# Altium PCB dashcam_cpu_v2.0.PcbDoc (part 3 of 4)
Units mil, origin at the board's own origin, x right, y up, seen from the top; angles counter-clockwise.
Board outline 2952.76 x 1476.38 mil, 4 copper layers (Top Layer, Internal L1, Internal L2, Bottom Layer), stack 60.718 mil thick; 574 components, 452 nets, 2535 pads, 0 vias.
Unrouted connection lines stored in the file: 1684.
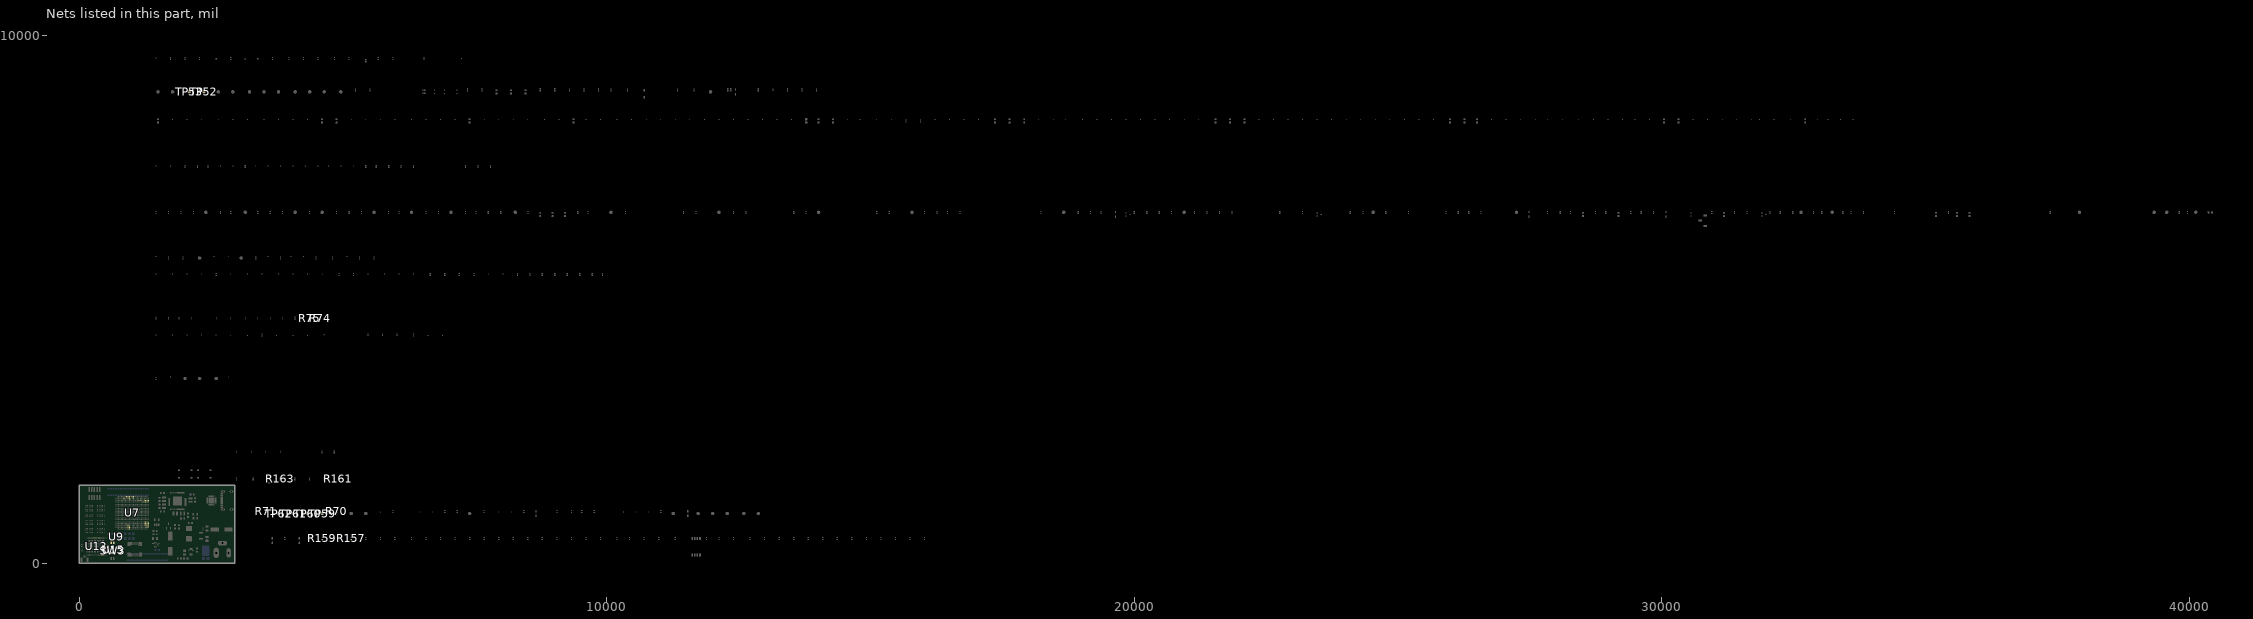
[diagram p3: the nets of this part, all layers, seen from the top]

## Part data (continued)
C21 C31 C37: library part CAP_1000pF_50V_NP0_0402, "Multilayer Ceramic Capacitor, 1000 pF, 50 V, ± 5%, C0G (NP0), 0402 [1005 Metric]", Capacitance=1nF, Case Code (Imperial)=0402, Case Code (Metric)=1005, Dielectric=C0G, Dielectric Material=4241ConductorMaterial, Insulation Resistance=10GR, Manufacturer=Murata, Max Operating Temperature=125°C, Min Operating Temperature=-55°C, Package Quantity=1, Supplier Part Number 1=490-3244-1-ND, Temperature Coefficient=30ppm/°C, Tolerance=5%, Voltage=50V, Case/Package=0402, Category="Ceramic Capacitors", ComponentLink1Description=https://datasheet.ciiva.com/34302/1855908-34302849.pdf?src-supplier=Jameco, ComponentLink1URL=https://datasheet.ciiva.com/34302/1855908-34302849.pdf?src-supplier=Jameco, ComponentLink2Description=https://datasheet.ciiva.com/132/product-132800.pdf?src-supplier=Digi-Key, ComponentLink2URL=https://datasheet.ciiva.com/132/product-132800.pdf?src-supplier=Digi-Key, ComponentLink3Description=https://datasheet.ciiva.com/132/grm1555c1h102ja01-01-132799.pdf?src-supplier=Digi-Key, ComponentLink3URL=https://datasheet.ciiva.com/132/grm1555c1h102ja01-01-132799.pdf?src-supplier=Digi-Key, ComponentLink4Description=https://datasheet.ciiva.com/18184/getdatasheetpartid-90260-18184180.pdf?src-supplier=Verical, ComponentLink4URL=https://datasheet.ciiva.com/18184/getdatasheetpartid-90260-18184180.pdf?src-supplier=Verical, ComponentLink5Description=https://datasheet.ciiva.com/7828/4360-7828821.pdf?src-supplier=Element14, ComponentLink5URL=https://datasheet.ciiva.com/7828/4360-7828821.pdf?src-supplier=Element14, ComponentLink6Description=https://datasheet.ciiva.com/14116/grmseries-tc-hitype-eng-14116858.pdf?src-supplier=Distrelec, ComponentLink6URL=https://datasheet.ciiva.com/14116/grmseries-tc-hitype-eng-14116858.pdf?src-supplier=Distrelec, ComponentLink7Description=https://datasheet.ciiva.com/132/grm1555c1h102ja01-01-132801.pdf?src-supplier=Digi-Key, ComponentLink7URL=https://datasheet.ciiva.com/132/grm1555c1h102ja01-01-132801.pdf?src-supplier=Digi-Key, Construction=Flat, Depth=0.5mm, Height=0.5mm, Lead Free=5697LeadFree, Length=1mm, Manufacturer Part Number=GRM1555C1H102JA01D, Material=Ceramic, Mount="Surface Mount", Number of Pins=2, Packaging="Tape and Reel", Pricing 1="1=0.1, 10=0.032, 50=0.0186, 100=0.0144, 500=0.01086, 1000=0.00853, 2500=0.00776, 5000=0.00714 (USD)", Radiation Hardening=No, Reach SVHC Compliant=No, RoHS=Yes, RoHS Compliant=Yes, Series=GRM, Size=0.5mm, Stock 1=22370735, Supplier 1=Digi-Key, Termination=SMD/SMT, Thickness=0.022inch, Voltage Rating=50V, Voltage Rating (DC)=50V, Width=0.5mm
C25 C38 C45 C46 C48 C83 C214 C262 C265: library part CAP_1UF_25V_X5R_0402, "Multilayer Ceramic Capacitor, 1 uF, 25 V, ± 10%, X5R, 0402 [1005 Metric]", Capacitance=1uF, Case Code (Imperial)=0402, Case Code (Metric)=1005, Dielectric=X5R, Manufacturer=Murata, Max Operating Temperature=85°C, Min Operating Temperature=-55°C, Package Quantity=10000, Supplier Part Number 1=490-10017-1-ND, Tolerance=10%, Voltage=25V, Case/Package=0402, Category="Ceramic Capacitors", ComponentLink1Description=https://datasheet.ciiva.com/7719/1666664-7719006.pdf?src-supplier=Element14, ComponentLink1URL=https://datasheet.ciiva.com/7719/1666664-7719006.pdf?src-supplier=Element14, ComponentLink2Description=https://datasheet.ciiva.com/22732/1666664-22732122.pdf?src-supplier=Element14, ComponentLink2URL=https://datasheet.ciiva.com/22732/1666664-22732122.pdf?src-supplier=Element14, Depth=0.5mm, Height=0.5mm, Lead Free="Lead Free", Length=1mm, Manufacturer Part Number=GRM155R61E105KA12D, Material=Ceramic, Mount="Surface Mount", Packaging="Cut Tape", Pricing 1="1=0.1, 10=0.043, 50=0.0246, 100=0.019, 500=0.01434, 1000=0.01126, 2500=0.01024, 5000=0.00942 (USD)", Reach SVHC Compliant=No, RoHS=Yes, RoHS Compliant=Yes, Series=GRM, Stock 1=849086, Supplier 1=Digi-Key, Termination=SMD/SMT, Thickness=0.022inch, Voltage Rating=25V, Voltage Rating (DC)=25V, Weight=0.000212oz, Width=0.5mm
C26 C32: library part CAP_22UF_16V_X5R_0603, "Cap Ceramic 22uF 16V X5R 20% Pad SMD 0603 85C T/R", Capacitance=22uF, Case Code (Imperial)=0603, Case Code (Metric)=1608, Manufacturer=Samsung, Max Operating Temperature=85°C, Min Operating Temperature=-55°C, Supplier Part Number 1=1276-7076-1-ND, Tolerance=20%, Voltage Rating=16V, Case/Package=0603, Category="Ceramic Capacitors", ComponentLink1Description=http://www.samsungsem.com/kr/support/product-search/mlcc/CL10A226MO7JZNC.jsp?src-supplier=Digi-Key, ComponentLink1URL=http://www.samsungsem.com/kr/support/product-search/mlcc/CL10A226MO7JZNC.jsp?src-supplier=Digi-Key, ComponentLink2Description=https://datasheet.octopart.com/CL10A226MO7JZNC-Samsung-Electro-Mechanics-datasheet-149156497.pdf?src-supplier=Future+Electronics, ComponentLink2URL=https://datasheet.octopart.com/CL10A226MO7JZNC-Samsung-Electro-Mechanics-datasheet-149156497.pdf?src-supplier=Future+Electronics, Manufacturer Part Number=CL10A226MO7JZNC, Mount="Surface Mount", Packaging="Cut Tape", Pricing 1="1=0.59, 10=0.419, 50=0.3164, 100=0.2756, 500=0.20418, 1000=0.17355 (USD)", RoHS=Yes, RoHS Compliant=Yes, Series=CL, Stock 1=1760065, Supplier 1=Digi-Key
C39 C44 C47 C52 C56 C61 C62 C63 C67 C69 C70 C72 C73 C75 C77 C78 C252 C266 C276 C277: library part CAP_4.7UF_10V_X5R_0402, "Multilayer Ceramic Capacitor, 4.7 uF, 10 V, ± 10%, X5R, 0402 [1005 Metric]", Capacitance=4.7uF, Case Code (Imperial)=0402, Case Code (Metric)=1005, Dielectric=X5R, Manufacturer=Samsung, Max Operating Temperature=85°C, Min Operating Temperature=-55°C, Package Quantity=1, Supplier Part Number 1=1276-1480-1-ND, Tolerance=10%, Voltage Rating=10V, Case/Package=0402, Category="Ceramic Capacitors", ComponentLink1Description=https://datasheet.ciiva.com/25724/cl05a475kp5nrnc-25724404.pdf?src-supplier=Digikey, ComponentLink1URL=https://datasheet.ciiva.com/25724/cl05a475kp5nrnc-25724404.pdf?src-supplier=Digikey, ComponentLink2Description=https://datasheet.ciiva.com/29198/458873-da-01-en-vs-kondensator-0402-29198304.pdf?src-supplier=Conrad, ComponentLink2URL=https://datasheet.ciiva.com/29198/458873-da-01-en-vs-kondensator-0402-29198304.pdf?src-supplier=Conrad, Construction=Flat, Depth=0.5mm, Height=0.5mm, Lead Free="Lead Free", Length=1mm, Manufacturer Part Number=CL05A475KP5NRNC, Material=Ceramic, Mount="Surface Mount", Packaging="Tape and Reel", Pricing 1="1=0.28, 10=0.184, 50=0.129, 100=0.1042, 500=0.0774, 1000=0.06772, 2500=0.0645, 5000=0.05966 (USD)", Radiation Hardening=No, RoHS=Yes, RoHS Compliant=Yes, Series=CL, Stock 1=748042, Supplier 1=Digikey, Thickness=0.022inch, Width=0.02inch
C68 C71 C74 C76 C79 C80 C81 C82: library part CAP_0.47UF_16V_X5R_0402, "0402 0.47 uF 16 V ±10 % Tolerance X5R SMT Multilayer Ceramic Capacitor", Capacitance=470nF, Case Code (Imperial)=0402, Case Code (Metric)=1005, Manufacturer=Murata, Max Operating Temperature=85°C, Min Operating Temperature=-55°C, Ratings=AEC-Q200, Supplier Part Number 1=490-12261-6-ND, Tolerance=10%, Voltage Rating=16V, Case/Package=0402, Category="Ceramic Capacitors", ComponentLink1Description=http://search.murata.co.jp/Ceramy/image/img/A01X/G101/ENG/GRT155R61C474KE01-01.pdf?src-supplier=Digi-Key, ComponentLink1URL=http://search.murata.co.jp/Ceramy/image/img/A01X/G101/ENG/GRT155R61C474KE01-01.pdf?src-supplier=Digi-Key, ComponentLink2Description=https://datasheet.octopart.com/GRT155R61C474KE01D-Murata-datasheet-149523552.pdf?src-supplier=Newark, ComponentLink2URL=https://datasheet.octopart.com/GRT155R61C474KE01D-Murata-datasheet-149523552.pdf?src-supplier=Newark, ComponentLink3Description=https://datasheet.octopart.com/GRT155R61C474KE01D-Murata-datasheet-82944871.pdf?src-supplier=Future+Electronics, ComponentLink3URL=https://datasheet.octopart.com/GRT155R61C474KE01D-Murata-datasheet-82944871.pdf?src-supplier=Future+Electronics, ComponentLink4Description=https://datasheet.octopart.com/GRT155R61C474KE01D-Murata-datasheet-165579666.pdf?src-supplier=TME, ComponentLink4URL=https://datasheet.octopart.com/GRT155R61C474KE01D-Murata-datasheet-165579666.pdf?src-supplier=TME, Length=0.039inch, Manufacturer Part Number=GRT155R61C474KE01D, Mount="Surface Mount", Packaging="Cut Tape", Pricing 1="1=0.4, 10=0.27, 50=0.215, 100=0.1775, 500=0.13868, 1000=0.11788, 2500=0.11095, 5000=0.10401 (USD)", RoHS=Yes, RoHS Compliant=Yes, Series=GRT, Stock 1=1892752, Supplier 1=Digi-Key, Thickness=0.022inch, Width=0.02inch
C84 C85 C86 C87 C88 C89 C90 C91 C92 C94 C102 C103 C104 C112 C113 C123 C124 C130 C132 C133 C142 C143 C145 C157 C169 C170 C171 C173 C174 C186 C187 C188 C189 C190 C191: library part CAP_0.1UF_10V_X5R_0201, "0201 0.1 uF 10 V ±10 %Tolerance X5R Surface Mount Multilayer Ceramic Capacitor", Capacitance=100nF, Case Code (Imperial)=0201, Case Code (Metric)=0603, Dielectric=1537DielectricType, Manufacturer="Walsin Technologies", Max Operating Temperature=85°C, Min Operating Temperature=-55°C, Supplier Part Number 1=1292-1160-6-ND, Tolerance=10%, Voltage Rating=10V, Case/Package=0201, Category="Ceramic Capacitors", ComponentLink1Description=http://www.passivecomponent.com/indexsea/0201X104K100CT-IL.pdf?src-supplier=Digi-Key, ComponentLink1URL=http://www.passivecomponent.com/indexsea/0201X104K100CT-IL.pdf?src-supplier=Digi-Key, ComponentLink2Description=http://www.passivecomponent.com/wp-content/uploads/2018/10/MLCC.pdf?src-supplier=Digi-Key, ComponentLink2URL=http://www.passivecomponent.com/wp-content/uploads/2018/10/MLCC.pdf?src-supplier=Digi-Key, ComponentLink3Description=http://datasheet.octopart.com/0201X104K100CT-Walsin-Technologies-datasheet-136037192.pdf?src-supplier=Rs, ComponentLink3URL=http://datasheet.octopart.com/0201X104K100CT-Walsin-Technologies-datasheet-136037192.pdf?src-supplier=Rs, Lead Free=5697LeadFree, Manufacturer Part Number=0201X104K100CT, Mount="Surface Mount", Packaging="Cut Tape", Pricing 1="1=0.1, 10=0.028, 50=0.0164, 100=0.0127, 500=0.00954, 1000=0.0075, 2500=0.00682, 5000=0.00627 (USD)", RoHS=Yes, RoHS Compliant=Yes, Series=-, Stock 1=1142023, Supplier 1=Digi-Key, Voltage Rating (DC)=10V
C93 C96 C97 C98 C99 C100 C101 C106 C107 C108 C109 C111 C118 C119 C120 C121 C122 C126 C127 C128 C129 C138 C139 C140 C141 C150 C151 C152 C153 C154 C155 C156 C161 C162 C163 C164 C194 C195 C196 C197 C198 C199 C200 C201 C203 C204 C205 C206 C207 C208 C209 C210 C211 C212 C222 C223 C232 C233 C234 C235 C238 C239 C240 C241 C242 C243 C245 C246 C247 C248 C249 C250 C251 C260: library part CAP_1UF_6.3V_X5R_0201, "0201 1 uF 6.3 V ±20 % Tolerance X5R Surface Mount Multilayer Ceramic Capacitor", Capacitance=1uF, Case Code (Imperial)=0201, Case Code (Metric)=0603, Dielectric=X5R, Manufacturer="Kyocera AVX", Max Operating Temperature=85°C, Min Operating Temperature=-55°C, Package Quantity=1, Supplier Part Number 1=581-02016D105MAT2A, Tolerance=20%, Voltage Rating=6.3V, Case/Package=0201, Category="Ceramic Capacitors", ComponentLink1Description=https://datasheet.ciiva.com/6265/cx5r-6265595.pdf?src-supplier=Digi-Key, ComponentLink1URL=https://datasheet.ciiva.com/6265/cx5r-6265595.pdf?src-supplier=Digi-Key, ComponentLink2Description=https://datasheet.ciiva.com/1123/1666675-1123122.pdf?src-supplier=Element14, ComponentLink2URL=https://datasheet.ciiva.com/1123/1666675-1123122.pdf?src-supplier=Element14, ComponentLink3Description=https://datasheet.ciiva.com/14891/cx5r-14891029.pdf?src-supplier=Digi-Key, ComponentLink3URL=https://datasheet.ciiva.com/14891/cx5r-14891029.pdf?src-supplier=Digi-Key, ComponentLink4Description=https://datasheet.ciiva.com/7614/cx5r-7614682.pdf?src-supplier=Digi-Key, ComponentLink4URL=https://datasheet.ciiva.com/7614/cx5r-7614682.pdf?src-supplier=Digi-Key, ComponentLink5Description=https://datasheet.ciiva.com/14891/cx5r-14891030.pdf?src-supplier=Digi-Key, ComponentLink5URL=https://datasheet.ciiva.com/14891/cx5r-14891030.pdf?src-supplier=Digi-Key, Depth=0.3mm, Lead Free="Lead Free", Length=0.024inch, Manufacturer Part Number=02016D105MAT2A, Mount="Surface Mount", Number of Pins=2, Packaging="Cut Tape", Pricing 1="1=0.1, 10=0.028, 50=0.028, 100=0.014, 1000=0.008, 10000=0.006 (USD)", Reach SVHC Compliant=No, RoHS=Yes, RoHS Compliant=Yes, Series=-, Stock 1=1026413, Supplier 1=Mouser, Thickness=0.013inch, Voltage Rating (DC)=6.3V, Width=0.012inch
C114 C125 C131 C134 C144 C146 C158 C172: library part CAP_2.2UF_10V_X5R_0402, "Multilayer Ceramic Capacitor, 2.2 uF, 10 V, ± 10%, X5R, 0402 [1005 Metric]", Capacitance=2.2uF, Case Code (Imperial)=0402, Case Code (Metric)=1005, Dielectric=X5R, Dielectric Material=Ceramic, Manufacturer=TDK, Max Operating Temperature=85°C, Min Operating Temperature=-55°C, Package Quantity=10000, Supplier Part Number 1=445-7392-1-ND, Tolerance=10%, Voltage=10V, Case/Package=0402, Category="Ceramic Capacitors", ComponentLink1Description=https://datasheet.ciiva.com/24216/c1005x5r1a225k050bc-264297-24216439.pdf?src-supplier=Mouser, ComponentLink1URL=https://datasheet.ciiva.com/24216/c1005x5r1a225k050bc-264297-24216439.pdf?src-supplier=Mouser, ComponentLink2Description=https://datasheet.ciiva.com/6289/tdkmlcccaprange-6289823.pdf?src-supplier=Digi-Key, ComponentLink2URL=https://datasheet.ciiva.com/6289/tdkmlcccaprange-6289823.pdf?src-supplier=Digi-Key, ComponentLink3Description=https://datasheet.ciiva.com/6289/tdkmlcccaprange-6289830.pdf?src-supplier=Digi-Key, ComponentLink3URL=https://datasheet.ciiva.com/6289/tdkmlcccaprange-6289830.pdf?src-supplier=Digi-Key, ComponentLink4Description=https://datasheet.ciiva.com/22719/1796654-22719527.pdf?src-supplier=Element14, ComponentLink4URL=https://datasheet.ciiva.com/22719/1796654-22719527.pdf?src-supplier=Element14, ComponentLink5Description=https://datasheet.ciiva.com/28451/1796654-28451002.pdf?src-supplier=Element14, ComponentLink5URL=https://datasheet.ciiva.com/28451/1796654-28451002.pdf?src-supplier=Element14, ComponentLink6Description=https://datasheet.ciiva.com/28665/mlcc-commercial-general-en-28665493.pdf?src-supplier=Element14, ComponentLink6URL=https://datasheet.ciiva.com/28665/mlcc-commercial-general-en-28665493.pdf?src-supplier=Element14, ComponentLink7Description=https://datasheet.ciiva.com/23802/1796654-23802731.pdf?src-supplier=Newark, ComponentLink7URL=https://datasheet.ciiva.com/23802/1796654-23802731.pdf?src-supplier=Newark, ComponentLink8Description=https://datasheet.ciiva.com/16425/general-b11-16425676.pdf?src-supplier=Future+Electronics, ComponentLink8URL=https://datasheet.ciiva.com/16425/general-b11-16425676.pdf?src-supplier=Future+Electronics, Construction=Flat, Depth=0.5mm, Height=0.5mm, Lead Free="Lead Free", Length=1mm, Manufacturer Part Number=C1005X5R1A225K050BC, Material=4241ConductorMaterial, Mount="Surface Mount", Number of Pins=2, Packaging="Tape and Reel", Pricing 1="1=0.3, 10=0.196, 50=0.1376, 100=0.1111, 500=0.08256, 1000=0.07224, 2500=0.0688, 5000=0.06364 (USD)", Reach SVHC Compliant=No, RoHS=Yes, RoHS Compliant=Yes, Series=C, Stock 1=748837, Supplier 1=Digi-Key, Termination=SMD/SMT, Voltage Rating=10V, Voltage Rating (DC)=10V, Weight=2.3E-05oz, Width=0.5mm
C165 C166: library part CAP_10nF_10V_X7R_0402, "Ceramic Capacitor, Multilayer, Ceramic, 10V, 10% +Tol, 10% -Tol, X7R, 15% TC, 0.01uF, 0402", Capacitance=10nF, Case Code (Imperial)=0402, Case Code (Metric)=1005, Dielectric=X7R, Dielectric Material=4241ConductorMaterial, Manufacturer=KEMET, Max Operating Temperature=125°C, Min Operating Temperature=-55°C, Package Quantity=10000, Supplier Part Number 1=399-C0402C103K8RAC7867CT-ND, Tolerance=10%, Voltage Rating=10V, Case/Package=0402, Category="Ceramic Capacitors", ComponentLink1Description=http://www.jameco.com/Jameco/Products/ProdDS/2014182.pdf?src-supplier=Jameco, ComponentLink1URL=http://www.jameco.com/Jameco/Products/ProdDS/2014182.pdf?src-supplier=Jameco, ComponentLink2Description=http://www.farnell.com/datasheets/2746035.pdf?src-supplier=Farnell, ComponentLink2URL=http://www.farnell.com/datasheets/2746035.pdf?src-supplier=Farnell, ComponentLink3Description=http://components.arrow.com/part/dataview/3443725S6046007N7429?src-supplier=Arrow+Electronics, ComponentLink3URL=http://components.arrow.com/part/dataview/3443725S6046007N7429?src-supplier=Arrow+Electronics, ComponentLink4Description=http://www.mouser.com/ds/2/212/KEM_C1002_X7R_SMD-1102033.pdf?src-supplier=Mouser, ComponentLink4URL=http://www.mouser.com/ds/2/212/KEM_C1002_X7R_SMD-1102033.pdf?src-supplier=Mouser, ComponentLink5Description=http://www.farnell.com/datasheets/1828800.pdf?src-supplier=Newark, ComponentLink5URL=http://www.farnell.com/datasheets/1828800.pdf?src-supplier=Newark, ComponentLink6Description=https://api.kemet.com/component-edge/download/datasheet/C0402C103K8RACTU.pdf?src-supplier=Digikey, ComponentLink6URL=https://api.kemet.com/component-edge/download/datasheet/C0402C103K8RACTU.pdf?src-supplier=Digikey, ComponentLink7Description=http://www.farnell.com/datasheets/2746035.pdf?src-supplier=Element14, ComponentLink7URL=http://www.farnell.com/datasheets/2746035.pdf?src-supplier=Element14, ComponentLink8Description=http://capacitoredge.kemet.com/capedge2/DataSheet?pn=C0402C103K8RACTU&src-supplier=Avnet, ComponentLink8URL=http://capacitoredge.kemet.com/capedge2/DataSheet?pn=C0402C103K8RACTU&src-supplier=Avnet, ComponentLink9Description=https://www.verical.com/server-webapp/html/getDatasheet?partID=74963&src-supplier=Verical, ComponentLink9URL=https://www.verical.com/server-webapp/html/getDatasheet?partID=74963&src-supplier=Verical, ComponentLink10Description=http://www.farnell.com/datasheets/2746035.pdf?src-supplier=Newark, ComponentLink10URL=http://www.farnell.com/datasheets/2746035.pdf?src-supplier=Newark, ComponentLink11Description=https://datasheet.octopart.com/C0402C103K8RACTU-Kemet-datasheet-21527579.pdf?src-supplier=Newark, ComponentLink11URL=https://datasheet.octopart.com/C0402C103K8RACTU-Kemet-datasheet-21527579.pdf?src-supplier=Newark, ComponentLink12Description=https://datasheet.octopart.com/C0402C103K8RACTU-Kemet-datasheet-65850003.pdf?src-supplier=Element14, ComponentLink12URL=https://datasheet.octopart.com/C0402C103K8RACTU-Kemet-datasheet-65850003.pdf?src-supplier=Element14, ComponentLink13Description=https://datasheet.octopart.com/C0402C103K8RACTU-KEMET-datasheet-149521620.pdf?src-supplier=Farnell, ComponentLink13URL=https://datasheet.octopart.com/C0402C103K8RACTU-KEMET-datasheet-149521620.pdf?src-supplier=Farnell, ComponentLink14Description=https://datasheet.octopart.com/C0402C103K8RACTU-KEMET-datasheet-157246124.pdf?src-supplier=Electro+Sonic, ComponentLink14URL=https://datasheet.octopart.com/C0402C103K8RACTU-KEMET-datasheet-157246124.pdf?src-supplier=Electro+Sonic, ComponentLink15Description=https://datasheet.octopart.com/C0402C103K8RACTU-KEMET-datasheet-140424561.pdf?src-supplier=TME, ComponentLink15URL=https://datasheet.octopart.com/C0402C103K8RACTU-KEMET-datasheet-140424561.pdf?src-supplier=TME, Construction=Flat, Depth=0.5mm, Dissipation Factor=5%, Height=0.5mm, Lead Pitch=0.3mm, Length=1mm, Manufacturer Part Number=C0402C103K8RACTU, Material=4241ConductorMaterial, Mount="Surface Mount", Number of Pins=2NUMBER, Packaging="Tape and Reel", Pricing 1="1=0.1, 10=0.018, 50=0.0104, 100=0.008, 500=0.006, 1000=0.00472, 2500=0.00429, 5000=0.00395 (USD)", Radiation Hardening=No, Reach SVHC Compliant=No, RoHS=Yes, RoHS Compliant=Yes, Series="SMD Comm X7R", Stock 1=703450, Supplier 1=Digikey, Termination=SMD/SMT, Thickness=0.022inch, Voltage Rating (DC)=10V, Width=0.5mm
C167 C168 C176 C177 C178 C179 C180 C181 C182 C183 C184: library part CAP_4700pF_10V_0201, "Multilayer Ceramic Capacitor, 4700 pF, 10 V, ± 10%, X5R, 0201 [0603 Metric]", Capacitance=4.7nF, Case Code (Imperial)=0201, Case Code (Metric)=0603, Dielectric=X5R, Insulation Resistance=10GR, Manufacturer=Murata, Max Operating Temperature=85°C, Min Operating Temperature=-55°C, Package Quantity=1, Supplier Part Number 1=490-3164-1-ND, Tolerance=10%, Voltage Rating=10V, Case/Package=0201, Category="Ceramic Capacitors", ComponentLink1Description=https://datasheet.ciiva.com/130/product-130016.pdf?src-supplier=Digi-Key, ComponentLink1URL=https://datasheet.ciiva.com/130/product-130016.pdf?src-supplier=Digi-Key, ComponentLink2Description=https://datasheet.ciiva.com/16206/product-16206957.pdf?src-supplier=Future+Electronics, ComponentLink2URL=https://datasheet.ciiva.com/16206/product-16206957.pdf?src-supplier=Future+Electronics, Construction=Flat, Depth=0.3mm, Dissipation Factor=0.035%, Height=0.3mm, Lead Free="Lead Free", Length=0.6mm, Manufacturer Part Number=GRM033R61A472KA01D, Mount="Surface Mount", Packaging="Tape and Reel", Pricing 1="1=0.1, 10=0.01, 50=0.0054, 100=0.0042, 500=0.00318, 1000=0.0025, 2500=0.00227, 5000=0.00209 (USD)", Radiation Hardening=No, RoHS=Yes, RoHS Compliant=Yes, Series=GRM, Stock 1=417847, Supplier 1=Digi-Key, Termination=SMD/SMT, Thickness=0.013inch, Voltage Rating (DC)=10V, Width=0.012inch
C217 C218 C219 C220: library part CAP_18PF_50V_NP0_0201, "Multilayer Ceramic Capacitor, 18 pF, 50 V, ± 5%, C0G (NP0), 0201 [0603 Metric]", Capacitance=18pF, Case Code (Imperial)=0201, Case Code (Metric)=0603, Dielectric=C0G, Manufacturer=Murata, Max Operating Temperature=125°C, Min Operating Temperature=-55°C, Package Quantity=15000, Supplier Part Number 1=490-6117-1-ND, Temperature Coefficient=30ppm/°C, Tolerance=5%, Voltage=50V, Case/Package=0201, Category="Ceramic Capacitors", Depth=0.3mm, Height=0.3mm, Lead Free="Lead Free", Length=0.6mm, Manufacturer Part Number=GRM0335C1H180JA01D, Material=Ceramic, Mount="Surface Mount", Packaging="Tape and Reel", Pricing 1="1=0.1, 10=0.011, 50=0.0062, 100=0.0048, 500=0.0036, 1000=0.00283, 2500=0.00258, 5000=0.00237 (USD)", Radiation Hardening=No, RoHS=Yes, RoHS Compliant=Yes, Series=GRM, Stock 1=464126, Supplier 1=Digikey, Termination=SMD/SMT, Voltage Rating=50V, Voltage Rating (DC)=50V, Width=0.3mm
C221: library part CAP_15PF_50V_NP0_0402, "Multilayer Ceramic Capacitor, 15 pF, 50 V, ± 5%,NP0, 0402 [1005 Metric]", Capacitance=15pF, Case Code (Imperial)=0402, Case Code (Metric)=1005, Dielectric=C0G, Dielectric Material=Ceramic, Insulation Resistance=100GR, Manufacturer=Yageo, Max Operating Temperature=125°C, Min Operating Temperature=-55°C, Package Quantity=1, Supplier Part Number 1=311-1017-1-ND, Tolerance=5%, Voltage=50V, Case/Package=0402, Category="Ceramic Capacitors", ComponentLink1Description=https://datasheet.ciiva.com/5789/1443161-5789504.pdf?src-supplier=Farnell, ComponentLink1URL=https://datasheet.ciiva.com/5789/1443161-5789504.pdf?src-supplier=Farnell, ComponentLink2Description=https://datasheet.ciiva.com/26862/getdatasheetpartid-403449-26862595.pdf?src-supplier=Verical, ComponentLink2URL=https://datasheet.ciiva.com/26862/getdatasheetpartid-403449-26862595.pdf?src-supplier=Verical, ComponentLink3Description=https://datasheet.ciiva.com/144/mlccorderingcode-144002.pdf?src-supplier=Digi-Key, ComponentLink3URL=https://datasheet.ciiva.com/144/mlccorderingcode-144002.pdf?src-supplier=Digi-Key, ComponentLink4Description=https://datasheet.ciiva.com/144/mlccorderingcode-144001.pdf?src-supplier=Digi-Key, ComponentLink4URL=https://datasheet.ciiva.com/144/mlccorderingcode-144001.pdf?src-supplier=Digi-Key, ComponentLink5Description=https://datasheet.ciiva.com/13386/upy-gp-np0-16v-to-50v-8-13386330.pdf?src-supplier=Mouser, ComponentLink5URL=https://datasheet.ciiva.com/13386/upy-gp-np0-16v-to-50v-8-13386330.pdf?src-supplier=Mouser, ComponentLink6Description=https://datasheet.ciiva.com/11587/upy-gp-np0-16v-to-50v-8-11587085.pdf?src-supplier=Avnet, ComponentLink6URL=https://datasheet.ciiva.com/11587/upy-gp-np0-16v-to-50v-8-11587085.pdf?src-supplier=Avnet, ComponentLink7Description=https://datasheet.ciiva.com/144/mlccorderingcode-144003.pdf?src-supplier=Digi-Key, ComponentLink7URL=https://datasheet.ciiva.com/144/mlccorderingcode-144003.pdf?src-supplier=Digi-Key, Depth=0.5mm, Height=0.5mm, Lead Free="Lead Free", Length=1mm, Manufacturer Part Number=CC0402JRNPO9BN150, Mount="Surface Mount", Number of Pins=2, Packaging="Tape and Reel", Pricing 1="10=0.023, 50=0.013, 100=0.0101, 500=0.00764, 1000=0.006, 2500=0.00546, 5000=0.00502 (USD)", Radiation Hardening=No, Reach SVHC Compliant=No, RoHS=Yes, RoHS Compliant=Yes, Series=CC, Stock 1=919349, Supplier 1=Digi-Key, Termination=SMD/SMT, Thickness=0.022inch, Voltage Rating=50V, Voltage Rating (DC)=50V, Width=0.02inch
C224 C225 C226 C227 C228 C229: library part CAP_100nF_10V_X5R_0402, "Multilayer Ceramic Capacitor, 0.1 uF, 10 V, ± 10%, X5R, 0402 [1005 Metric]", Capacitance=100nF, Case Code (Imperial)=0402, Case Code (Metric)=1005, Dielectric=X5R, Manufacturer=Murata, Max Operating Temperature=85°C, Min Operating Temperature=-55°C, Package Quantity=1, Supplier Part Number 1=490-1318-1-ND, Tolerance=10%, Voltage=10V, Case/Package=0402, Category="Ceramic Capacitors", ComponentLink1Description=https://datasheet.ciiva.com/162/product-162752.pdf?src-supplier=Digikey, ComponentLink1URL=https://datasheet.ciiva.com/162/product-162752.pdf?src-supplier=Digikey, ComponentLink2Description=https://datasheet.ciiva.com/18102/getdatasheetpartid-74533-18102605.pdf?src-supplier=Verical, ComponentLink2URL=https://datasheet.ciiva.com/18102/getdatasheetpartid-74533-18102605.pdf?src-supplier=Verical, ComponentLink3Description=https://datasheet.ciiva.com/162/partnumbering-e-01-162751.pdf?src-supplier=Digikey, ComponentLink3URL=https://datasheet.ciiva.com/162/partnumbering-e-01-162751.pdf?src-supplier=Digikey, ComponentLink4Description=https://datasheet.ciiva.com/162/partnumbering-e-01-162753.pdf?src-supplier=Digikey, ComponentLink4URL=https://datasheet.ciiva.com/162/partnumbering-e-01-162753.pdf?src-supplier=Digikey, ComponentLink5Description=https://datasheet.ciiva.com/22698/608985-22698411.pdf?src-supplier=Element14, ComponentLink5URL=https://datasheet.ciiva.com/22698/608985-22698411.pdf?src-supplier=Element14, ComponentLink6Description=https://datasheet.ciiva.com/28584/608985-28584203.pdf?src-supplier=Element14, ComponentLink6URL=https://datasheet.ciiva.com/28584/608985-28584203.pdf?src-supplier=Element14, ComponentLink7Description=https://datasheet.ciiva.com/28685/608985-28685384.pdf?src-supplier=Element14, ComponentLink7URL=https://datasheet.ciiva.com/28685/608985-28685384.pdf?src-supplier=Element14, ComponentLink8Description=https://datasheet.ciiva.com/16199/product-16199050.pdf?src-supplier=Future+Electronics, ComponentLink8URL=https://datasheet.ciiva.com/16199/product-16199050.pdf?src-supplier=Future+Electronics, ComponentLink9Description=https://datasheet.ciiva.com/7718/608985-7718999.pdf?src-supplier=Element14, ComponentLink9URL=https://datasheet.ciiva.com/7718/608985-7718999.pdf?src-supplier=Element14, Depth=0.5mm, Height=0.5mm, Lead Free="Lead Free", Length=1mm, Manufacturer Part Number=GRM155R61A104KA01D, Mount="Surface Mount", Number of Pins=2, Packaging="Tape and Reel", Pricing 1="1=0.1, 10=0.033, 50=0.0192, 100=0.0148, 500=0.01118, 1000=0.00878, 2500=0.00798, 5000=0.00734 (USD)", Radiation Hardening=No, Reach SVHC Compliant=No, RoHS=Yes, RoHS Compliant=Yes, Series=GRM, Stock 1=2175825, Supplier 1=Digikey, Termination=SMD/SMT, Thickness=0.022inch, Voltage Rating=10V, Voltage Rating (DC)=10V, Width=0.02inch
C230 C231 C236 C237 C244 C255: library part CAP_10UF_6.3V_X5R_0402, "Cap Ceramic 10uF 6.3V X5R 20% SMD 0402 85C T/R", Capacitance=10uF, Case Code (Imperial)=0402, Case Code (Metric)=1005, Dielectric=X5R, Manufacturer=Samsung, Max Operating Temperature=85°C, Min Operating Temperature=-55°C, Package Quantity=1, Supplier Part Number 1=1276-1451-1-ND, Tolerance=20%, Voltage Rating=6.3V, Case/Package=0402, Category="Ceramic Capacitors", ComponentLink1Description=https://datasheet.ciiva.com/16437/cl05a106mq5nunc-16437356.pdf?src-supplier=Future+Electronics, ComponentLink1URL=https://datasheet.ciiva.com/16437/cl05a106mq5nunc-16437356.pdf?src-supplier=Future+Electronics, ComponentLink2Description=https://datasheet.ciiva.com/26877/getdatasheetpartid-355289-26877841.pdf?src-supplier=Verical, ComponentLink2URL=https://datasheet.ciiva.com/26877/getdatasheetpartid-355289-26877841.pdf?src-supplier=Verical, Construction=Flat, Depth=0.5mm, Height=0.5mm, Length=1mm, Manufacturer Part Number=CL05A106MQ5NUNC, Mount="Surface Mount", Packaging="Tape and Reel", Pricing 1="1=0.24, 10=0.153, 50=0.0968, 100=0.0774, 500=0.05588, 1000=0.04943, 2500=0.04728, 5000=0.04299 (USD)", Radiation Hardening=No, RoHS=Yes, RoHS Compliant=Yes, Series=CL, Stock 1=6097180, Supplier 1=Digikey, Thickness=0.028inch, Width=0.02inch
C253 C254 C256 C257 C258 C259 C281: library part CAP_0.22UF_10V_X5R_0201, "Multilayer Ceramic Capacitors (High dielectric type), 10V, 0.22 uF, ± 20 %, 0201, X5R, RoHS", Capacitance=220nF, Case Code (Imperial)=0201, Case Code (Metric)=0603, Dielectric=X5R, Manufacturer="Taiyo Yuden", Max Operating Temperature=85°C, Min Operating Temperature=-55°C, Package Quantity=15000, Supplier Part Number 1=587-2483-1-ND, Tolerance=20%, Voltage=10V, Case/Package=0201, Category="Ceramic Capacitors", ComponentLink1Description=https://datasheet.ciiva.com/134/lmk063bj224mp-f-ss-134995.pdf?src-supplier=Digikey, ComponentLink1URL=https://datasheet.ciiva.com/134/lmk063bj224mp-f-ss-134995.pdf?src-supplier=Digikey, ComponentLink2Description=https://datasheet.ciiva.com/11464/lmk063bj224mp-f-ss-11464053.pdf?src-supplier=Avnet, ComponentLink2URL=https://datasheet.ciiva.com/11464/lmk063bj224mp-f-ss-11464053.pdf?src-supplier=Avnet, ComponentLink3Description=https://datasheet.ciiva.com/15921/1589lmk063bj224mp-f-15921250.pdf?src-supplier=Onlinecomponents.com, ComponentLink3URL=https://datasheet.ciiva.com/15921/1589lmk063bj224mp-f-15921250.pdf?src-supplier=Onlinecomponents.com, ComponentLink4Description=https://datasheet.ciiva.com/26872/getdatasheetpartid-639019-26872592.pdf?src-supplier=Verical, ComponentLink4URL=https://datasheet.ciiva.com/26872/getdatasheetpartid-639019-26872592.pdf?src-supplier=Verical, ComponentLink5Description=https://datasheet.ciiva.com/30243/100lmk063bj224mp-f-30243150.pdf?src-supplier=Onlinecomponents.com, ComponentLink5URL=https://datasheet.ciiva.com/30243/100lmk063bj224mp-f-30243150.pdf?src-supplier=Onlinecomponents.com, ComponentLink6Description=https://datasheet.ciiva.com/28645/746258-28645141.pdf?src-supplier=Element14, ComponentLink6URL=https://datasheet.ciiva.com/28645/746258-28645141.pdf?src-supplier=Element14, ComponentLink7Description=https://datasheet.ciiva.com/5422/mlcc-all-e-541559-5422365.pdf?src-supplier=Mouser, ComponentLink7URL=https://datasheet.ciiva.com/5422/mlcc-all-e-541559-5422365.pdf?src-supplier=Mouser, Construction=Flat, Depth=0.3mm, Halogen Free="Halogen Free", Height=0.3mm, Length=0.6mm, Manufacturer Part Number=LMK063BJ224MP-F, Material=4241ConductorMaterial, Mount="Surface Mount", Packaging="Tape and Reel", Pricing 1="1=0.12, 10=0.08, 50=0.0478, 100=0.0375, 500=0.02772, 1000=0.02295, 2500=0.02136, 5000=0.01954 (USD)", Radiation Hardening=No, Reach SVHC Compliant=Unknown, RoHS=Yes, RoHS Compliant=Yes, Series=M, Stock 1=6053224, Supplier 1=Digikey, Termination=SMD/SMT, Voltage Rating=10V, Voltage Rating (DC)=10V, Width=0.3mm
C264: library part CAP_4.7UF_6.3V_X5R_0402, "Multilayer Ceramic Capacitor, 4.7 uF, 6.3 V, ± 20%, X5R, 0402 [1005 Metric]", Capacitance=4.7uF, Case Code (Imperial)=0402, Case Code (Metric)=1005, Dielectric=X5R, Dielectric Material=Ceramic, Manufacturer=TDK, Max Operating Temperature=85°C, Min Operating Temperature=-55°C, Package Quantity=1, Supplier Part Number 1=445-7395-1-ND, Tolerance=20%, Voltage=6.3V, Case/Package=0402, Category="Ceramic Capacitors", ComponentLink1Description=https://datasheet.ciiva.com/24216/c1005x5r0j475m050bc-264348-24216583.pdf?src-supplier=Mouser, ComponentLink1URL=https://datasheet.ciiva.com/24216/c1005x5r0j475m050bc-264348-24216583.pdf?src-supplier=Mouser, ComponentLink2Description=https://datasheet.ciiva.com/5962/639999-5962567.pdf?src-supplier=Farnell, ComponentLink2URL=https://datasheet.ciiva.com/5962/639999-5962567.pdf?src-supplier=Farnell, ComponentLink3Description=https://datasheet.ciiva.com/22648/1796654-22648701.pdf?src-supplier=Element14, ComponentLink3URL=https://datasheet.ciiva.com/22648/1796654-22648701.pdf?src-supplier=Element14, ComponentLink4Description=https://datasheet.ciiva.com/22749/1744655-22749711.pdf?src-supplier=Element14, ComponentLink4URL=https://datasheet.ciiva.com/22749/1744655-22749711.pdf?src-supplier=Element14, ComponentLink5Description=https://datasheet.ciiva.com/7770/639999-7770124.pdf?src-supplier=Element14, ComponentLink5URL=https://datasheet.ciiva.com/7770/639999-7770124.pdf?src-supplier=Element14, ComponentLink6Description=https://datasheet.ciiva.com/6289/tdkmlcccaprange-6289886.pdf?src-supplier=Digi-Key, ComponentLink6URL=https://datasheet.ciiva.com/6289/tdkmlcccaprange-6289886.pdf?src-supplier=Digi-Key, ComponentLink7Description=https://datasheet.ciiva.com/6289/tdkmlcccaprange-6289895.pdf?src-supplier=Digi-Key, ComponentLink7URL=https://datasheet.ciiva.com/6289/tdkmlcccaprange-6289895.pdf?src-supplier=Digi-Key, ComponentLink8Description=https://datasheet.ciiva.com/16425/e412-c-16425670.pdf?src-supplier=Future+Electronics, ComponentLink8URL=https://datasheet.ciiva.com/16425/e412-c-16425670.pdf?src-supplier=Future+Electronics, Construction=Flat, Depth=0.5mm, Dissipation Factor=10%, Height=0.5mm, Lead Free="Lead Free", Length=1mm, Manufacturer Part Number=C1005X5R0J475M050BC, Material=4241ConductorMaterial, Mount="Surface Mount", Packaging="Tape and Reel", Pricing 1="1=0.35, 10=0.233, 50=0.1716, 100=0.1396, 500=0.11024, 1000=0.0931, 2500=0.0882, 5000=0.0833 (USD)", Reach SVHC Compliant=No, RoHS=Yes, RoHS Compliant=Yes, Series=C, Stock 1=799722, Supplier 1=Digi-Key, Termination=SMD/SMT, Thickness=0.026inch, Voltage Rating=6.3V, Voltage Rating (DC)=6.3V, Weight=2.3E-05oz, Width=0.02inch
C267: library part CAP_10UF_25V_X5R_0603, "Multilayer Ceramic Capacitor, 10 uF, 25 V, ± 20%, X5R, 0603 [1608 Metric]", Capacitance=10uF, Case Code (Imperial)=0603, Case Code (Metric)=1608, Dielectric=X5R, Manufacturer=Murata, Max Operating Temperature=85°C, Min Operating Temperature=-55°C, Package Quantity=1, Supplier Part Number 1=490-7202-1-ND, Tolerance=20%, Voltage=25V, Case/Package=0603, Category="Ceramic Capacitors", ComponentLink1Description=https://datasheet.ciiva.com/22776/c02e-22776427.pdf?src-supplier=Farnell, ComponentLink1URL=https://datasheet.ciiva.com/22776/c02e-22776427.pdf?src-supplier=Farnell, ComponentLink2Description=https://datasheet.ciiva.com/22619/c02e-22619674.pdf?src-supplier=Element14, ComponentLink2URL=https://datasheet.ciiva.com/22619/c02e-22619674.pdf?src-supplier=Element14, ComponentLink3Description=https://datasheet.ciiva.com/22776/608985-22776426.pdf?src-supplier=Farnell, ComponentLink3URL=https://datasheet.ciiva.com/22776/608985-22776426.pdf?src-supplier=Farnell, ComponentLink4Description=https://datasheet.ciiva.com/14906/partnumbering-e-01-14906431.pdf?src-supplier=Digi-Key, ComponentLink4URL=https://datasheet.ciiva.com/14906/partnumbering-e-01-14906431.pdf?src-supplier=Digi-Key, ComponentLink5Description=https://datasheet.ciiva.com/14906/partnumbering-e-01-14906429.pdf?src-supplier=Digi-Key, ComponentLink5URL=https://datasheet.ciiva.com/14906/partnumbering-e-01-14906429.pdf?src-supplier=Digi-Key, Construction=Flat, Depth=0.8mm, Height=0.8mm, Lead Free="Lead Free", Length=1.6mm, Manufacturer Part Number=GRM188R61E106MA73D, Material=4241ConductorMaterial, Mount="Surface Mount", Number of Pins=2, Packaging="Cut Tape", Pricing 1="1=0.26, 10=0.168, 50=0.1176, 100=0.0949, 500=0.07054, 1000=0.06173 (USD)", Reach SVHC Compliant=No, RoHS=Yes, RoHS Compliant=Yes, Series=GRM, Stock 1=2712970, Supplier 1=Digi-Key, Termination=SMD/SMT, Thickness=0.031inch, Voltage Rating=25V, Voltage Rating (DC)=25V, Weight=0.000222oz, Width=0.031inch
C270 C271 C272: library part CAP_10PF_50V_NP0_0402, "Multilayer Ceramic Capacitor, 10 pF, 50 V, ± 1%, C0G (NP0), 0402 [1005 Metric]", Capacitance=10pF, Case Code (Imperial)=0402, Case Code (Metric)=1005, Dielectric=C0G, Manufacturer=Murata, Max Operating Temperature=125°C, Min Operating Temperature=-55°C, Supplier Part Number 1=490-11189-1-ND, Temperature Coefficient=30ppm/°C, Tolerance=1%, Voltage=50V, Case/Package=0402, Category="Ceramic Capacitors", ComponentLink1Description=https://datasheet.ciiva.com/11607/c02e-11607390.pdf?src-supplier=Avnet, ComponentLink1URL=https://datasheet.ciiva.com/11607/c02e-11607390.pdf?src-supplier=Avnet, Construction=Flat, Depth=0.5mm, Height=0.5mm, Lead Free="Lead Free", Length=1mm, Manufacturer Part Number=GJM1555C1H100FB01D, Material=4241ConductorMaterial, Mount="Surface Mount", Packaging="Tape and Reel", Pricing 1="1=0.17, 10=0.113, 50=0.0676, 100=0.0532, 500=0.03926, 1000=0.03251, 2500=0.03026, 5000=0.02768 (USD)", Radiation Hardening=No, Reach SVHC Compliant=No, RoHS=Yes, RoHS Compliant=Yes, Series=GJM, Stock 1=104534, Supplier 1=Digikey, Termination=SMD/SMT, Thickness=0.022inch, Voltage Rating=50V, Voltage Rating (DC)=50V, Weight=2.3E-05oz, Width=0.02inch
C273 C275 C278: library part CAP_100NF_16V_X7R_0402, "Multilayer Ceramic Capacitor, 0.1 uF, 16 V, ± 10%, X7R, 0402 [1005 Metric]", Capacitance=100nF, Case Code (Imperial)=0402, Case Code (Metric)=1005, Dielectric=X7R, Manufacturer=Samsung, Max Operating Temperature=125°C, Min Operating Temperature=-55°C, Package Quantity=1, Supplier Part Number 1=1276-1001-6-ND, Tolerance=10%, Voltage=16V, Case/Package=0402, Category="Ceramic Capacitors", ComponentLink1Description=https://datasheet.ciiva.com/26920/getdatasheetpartid-359683-26920169.pdf?src-supplier=Verical, ComponentLink1URL=https://datasheet.ciiva.com/26920/getdatasheetpartid-359683-26920169.pdf?src-supplier=Verical, ComponentLink2Description=https://datasheet.ciiva.com/29198/458718-da-01-en-vs-kondensator-0402-29198423.pdf?src-supplier=Conrad, ComponentLink2URL=https://datasheet.ciiva.com/29198/458718-da-01-en-vs-kondensator-0402-29198423.pdf?src-supplier=Conrad, ComponentLink3Description=https://datasheet.ciiva.com/16208/cl05b104kq5nnnc-16208343.pdf?src-supplier=Future+Electronics, ComponentLink3URL=https://datasheet.ciiva.com/16208/cl05b104kq5nnnc-16208343.pdf?src-supplier=Future+Electronics, ComponentLink4Description=https://datasheet.ciiva.com/26309/mlcc-catalogdownload2013-eng-26309003.pdf?src-supplier=Distrelec, ComponentLink4URL=https://datasheet.ciiva.com/26309/mlcc-catalogdownload2013-eng-26309003.pdf?src-supplier=Distrelec, Construction=Flat, Depth=0.5mm, Height=0.5mm, Lead Free="Lead Free", Length=1mm, Manufacturer Part Number=CL05B104KO5NNNC, Material=Ceramic, Mount="Surface Mount", Packaging="Tape and Reel", Pricing 1="1=0.1, 10=0.024, 50=0.013, 100=0.0105, 500=0.00752, 1000=0.00592, 2500=0.00538, 5000=0.00495 (USD)", Radiation Hardening=No, RoHS=Yes, RoHS Compliant=Yes, Series=CL, Stock 1=11081064, Supplier 1=Digi-Key, Thickness=0.022inch, Voltage Rating=16V, Voltage Rating (DC)=16V, Width=0.02inch